# Allegro board reComputer J202_V1.0.brd (continued)
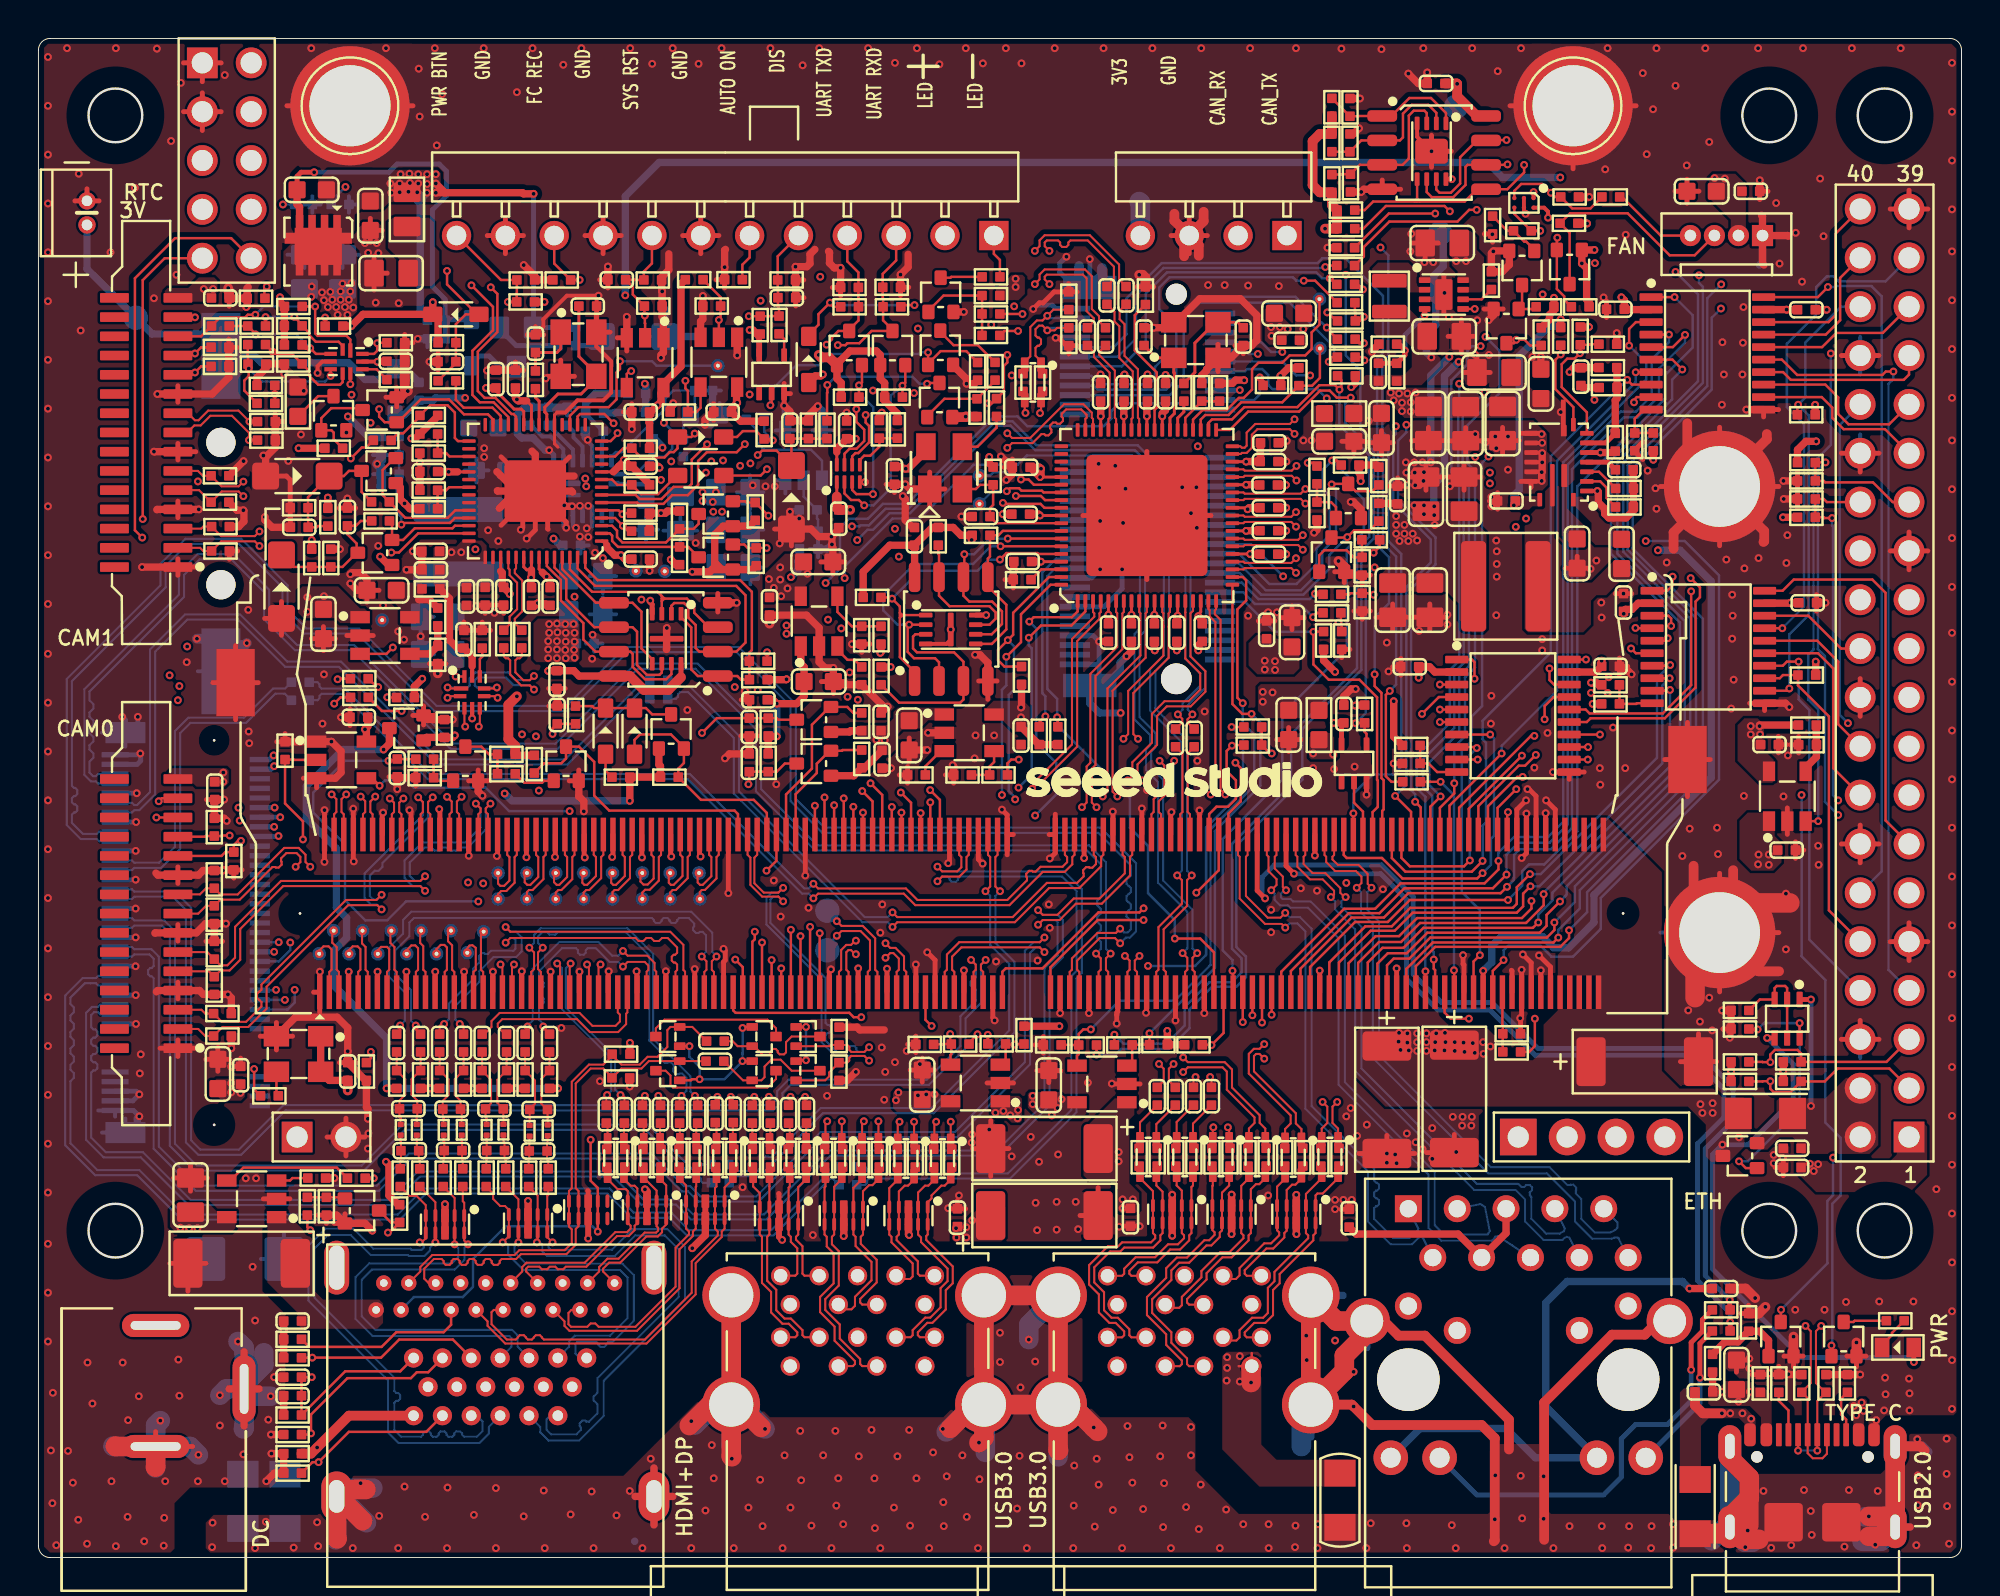
[diagram p0: board, top side]
## Text on the board (continued)
User.21: CAM0 | CAM1 | DC EN | FAN | 40 | 2 | 1 | 39 | GND | 38 | 36 | 32 | 28 | 26 | 24 | 22 | 18 | 16 | 12 | 10 | 5V | 8 | 37 | 35 | 33 | 31 | 29 | 27 | 23 | 21 | 19 | 15 | 13 | 11 | 7 | 5 | 3 | D34 | J49 | J13 | C322 | D52 | D50 | D58 | D60 | D63 | D56 | D54 | D65 | D66 | D20 | D18 | J48 | D32 | Y1 | D33 | Q506 | U502 | D23 | D24 | L18 | Q53 | D42 | U59 | D28 | D41 | J6 | J39 | D29 | D4 | D44 | U55 | U52 | D48 | C326 | U66 | U67 | C315 | U21 | D6 | L26 | J15 | L24 | U39 | U68 | D7 | J43 | C57 | L38 | U9 | L37 | J18 | U7 | U48 | C342 | J41 | J47 | J38 | C318 | 3V3 | PWR | J25 | U61 | CR501 | U65 | D46 | L501 | L503 | L506 | L504 | D27 | L33 | L35 | U49 | L34 | J32 | L32 | Q32 | Q52 | L10 | L20 | D8 | D9 | J33 | U64 | D5 | U62 | D70 | D69 | U22 | J28 | D39 | D37 | D38 | DS3 | PWR BTN | FC REC | SYS RST | AUTO ON | DIS | UART TXD | UART RXD | LED | J2 | J50 | U27 | U58 | + | -
User.22: uUSB PWR | ADD JUMPER | TO DISABLE | NVIDIA CORPORATION | SANTA CLARA | 2 | 40 | 1 | 39 | D64 | C5 | PWM | TACH | VDD | GND | POE | J45 | D1(ID_SC) | D15(RXD) | D14(TXD) | D21 | D20 | D16 | D12 | D25 | D24 | D23 | D18 | D7 | D8 | 5V | D26 | D19 | D13 | D11 | D10 | 3V3 | D22 | D27 | D17 | D3-SCL | D2-SDA | D6 | D5 | D9 | D4 | PWR BTN | FC REC | SYS RST | AUTO ON | DISABLE | UART TXD | UART RXD | LED | PIN 1 | R-R-NVA-P3450 | NVIDIA | P3450 | MADE IN CHINA | I.T.E. E204896 | Model: P3450 | 180-13449-****-B*1 | CAN ICES-3(B)/NMB-3(B) | D0(ID_SD) | 4A | 5V MAX. | uUSB | 5V 2A | + | -
User.27: FAN | U10 | J16 | D36 | D39 | D37 | D34 | D31 | D29 | D26 | D24 | D25 | D28 | D33 | D38 | D32 | D30 | D27 | Q25 | D16 | C105 | U27 | J18 | U3 | D14 | U9 | U4 | U11 | U8 | Q12 | D2 | Q16 | U23 | D1 | Q15 | J8 | L19 | U7 | D46 | D48 | D49 | U16 | U21 | U25 | U28 | U1 | Q28 | Q29 | J15 | D62 | U24 | U22 | D66 | D41 | J19 | D40 | U18 | U5 | U15 | J5 | U13 | D45 | Q24 | D7 | D6 | DS1 | PWR | PWR BTN | GND | FC REC | SYS RST | AUTO ON | DIS | UART TXD | UART RXD | LED | 3V3 | CAN_RX | CAN_TX | D35 | D18 | D20 | D17 | D3 | D19 | D21 | L16 | L18 | D22 | D23 | L17 | D10 | L15 | L23 | L22 | D8 | L10 | L1 | L20 | L21 | D9 | C157 | C160 | 1 | L26 | L27 | L2 | L24 | D11 | L25 | D12 | L8 | D13 | C147 | D63 | C146 | D5 | C145 | U12 | D42 | D43 | U14 | D44 | 40 | 2 | Q23 | 39 | Y2 | J2 | J6 | Y1 | J7 | J14 | J17 | J13 | J12 | CAM0 | CAM1 | J1 | J9 | + | -
User.28: 00158-19-04076 | CCAI18LP2010T7 | 201-180775 | D180171201 | T | R | SANTA CLARA,CALIFORNIA,USA | CONTAINS IC: 6317A-RTL8822CE | NVIDIA CORPORATION | D64 | IFETEL:RCPRERT18-2159 | PWM | TACH | VDD | GND | D65 | DC_IN | C2D | 2CK | TX | MADE IN CHINA | Model: P3518 | R-C-RTK-RTL8822CE | R-R-NVA-P3518 | CONTAINS FCC ID:TX2-RTL8822CE | 180-13509-****-A*1 | CAN ICES-3(B)/NMB-3(B) | U6 | U19 | D4 | Q7 | Q6 | Q5 | Q4 | L5 | L3 | J10 | PWR BTN | FC REC | SYS RST | AUTO ON | DISABLE | UART TXD | UART RXD | LED | PIN 1 | 3V3 | CAN_RX | CAN_TX | J11 | J3 | L4 | L6 | + | -
User.37: FIGURE | FINISHED_SIZE | 51.18x19.69 | 66.93x31.5 | 90.55x31.5 | 102.36x17.72 | TOOL_SIZE | - | SLOT HOLES: TOP to BOTTOM | ALL UNITS ARE IN MILS | ROTATION | 90.000 | 0.000 | TOLERANCE_DRILL | +0.0/-0.0 | PLATED | QTY | 4 | 2 | 1 | 11 | TOTAL HOLES:
User.38: FIGURE | FINISHED_SIZE | 7.87 | 8.0 | 15.75 | 21.65 | 23.62 | 27.56 | 35.43 | 40.0 | 40.8 | 43.31 | 66.93 | 90.55 | 165.35 | 166.14 | 60.0 | 62.99 | 127.95 | TOOL_SIZE | 0.25 | - | DRILL CHART: TOP to BOTTOM | ALL UNITS ARE IN MILS | ROTATION | TOLERANCE_DRILL | +2.95/-2.95 | +0.0/-0.0 | +3.0/-3.0 | +1.97/-1.97 | PLATED | NON-PLATED | QTY | 36 | 1796 | 20 | 2 | 19 | 4 | 14 | 16 | 52 | 8 | 1 | 2029 | TOTAL HOLES:
